# Altium PCB high-spped-thermocouple-logger-2ch.PcbDoc (part 2 of 3) (continued)
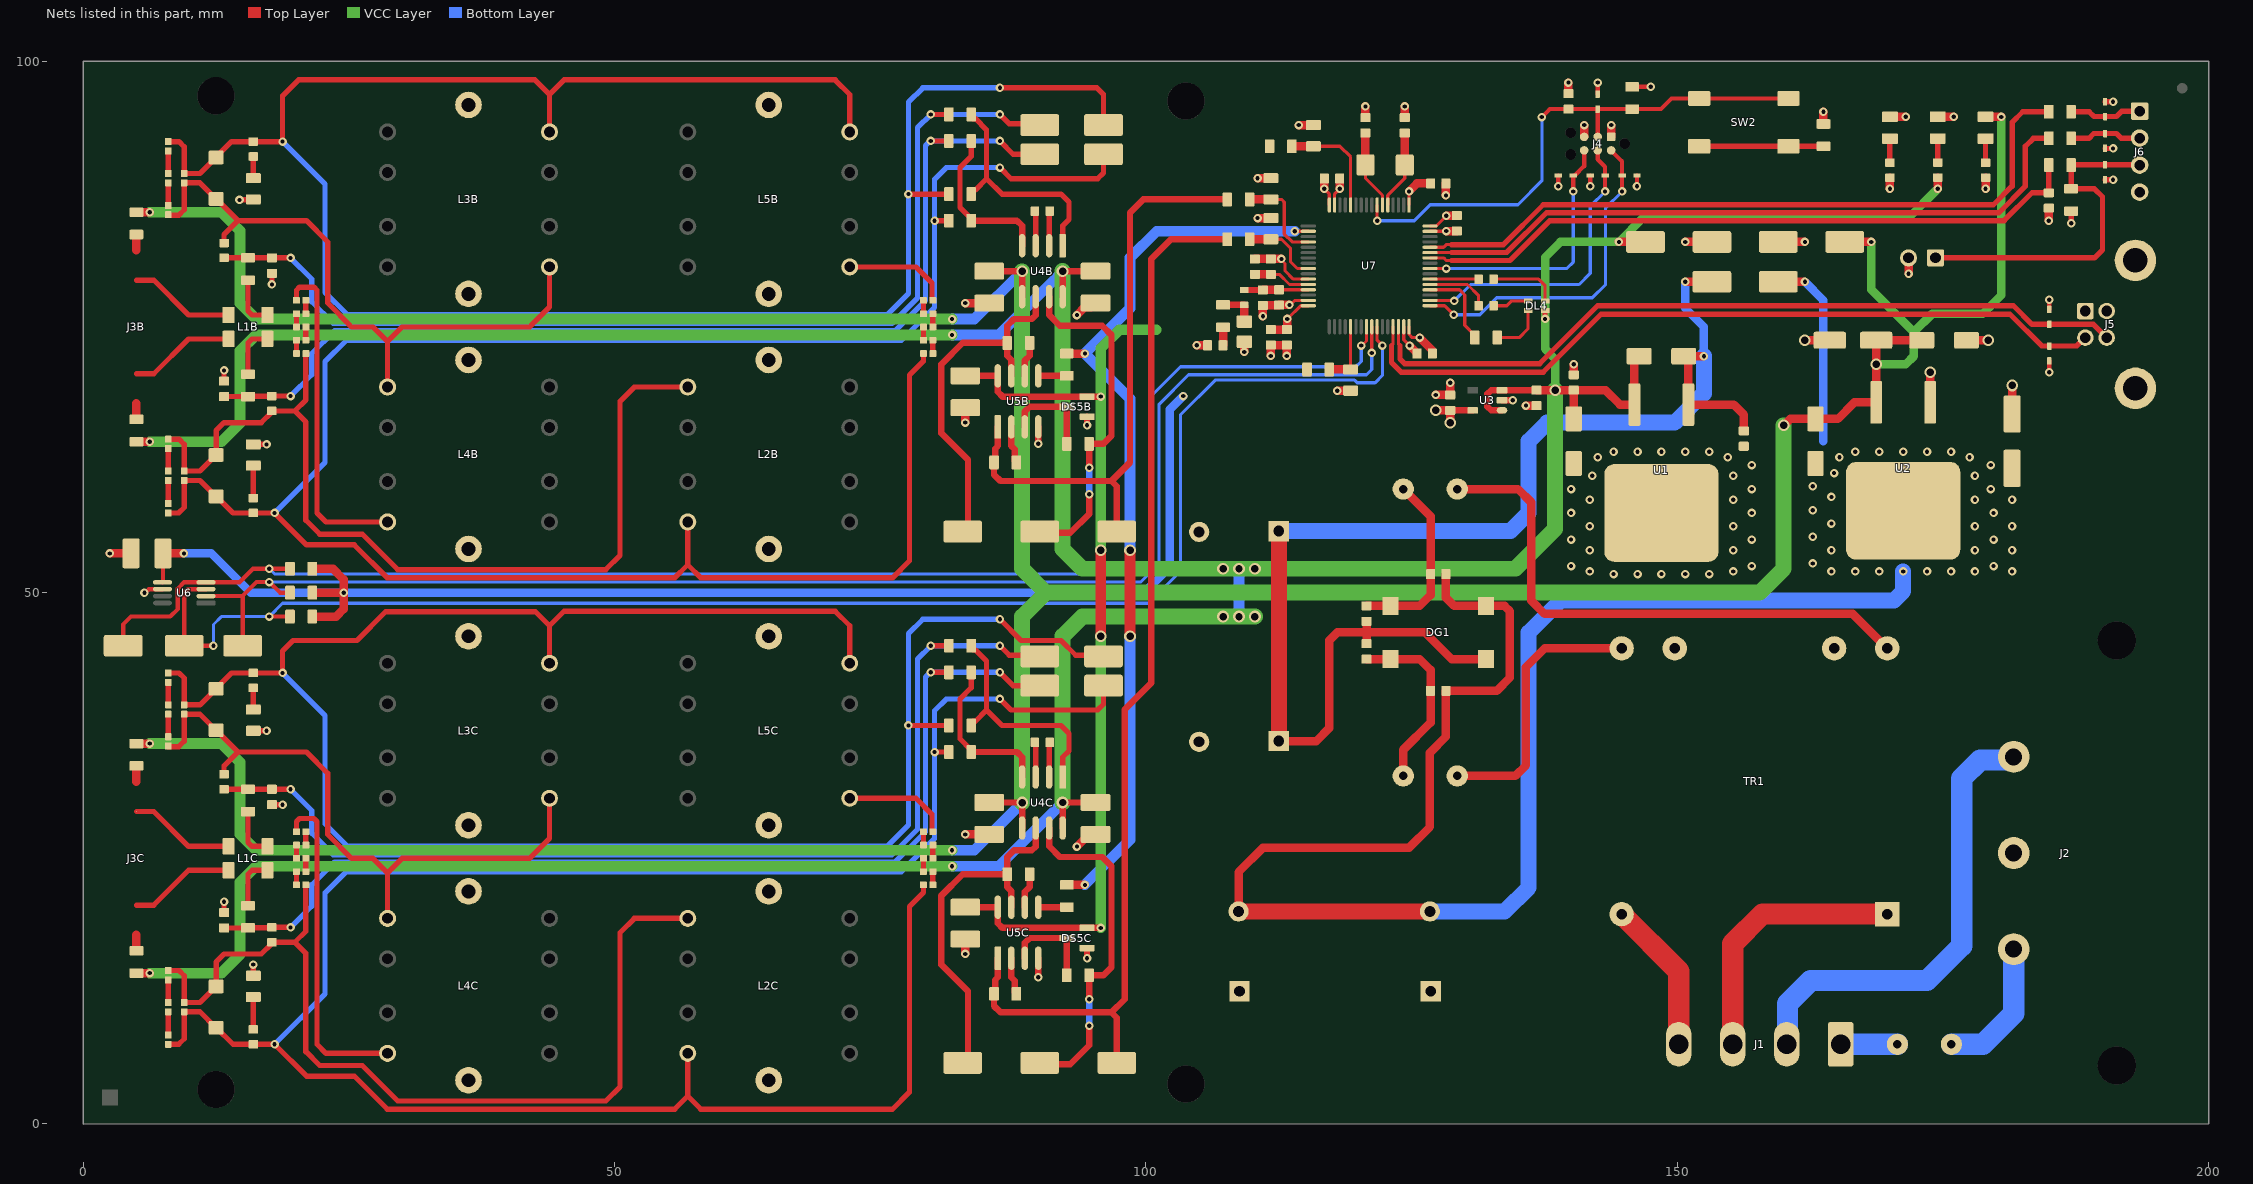
[diagram p4: the nets of this part, all layers, seen from the top]
## Part data (continued)
FM3: library part 000+FMS100, "De; Fiducial Mark;", Component_Class="Design Entity", ComponentLink1Description=Helios, ComponentLink1URL=heliosgreen://v1/hegMT/5-MT/Classes(343)/Folders/OpenForm?RecordNumbers=[12022164], Entity_Type="Fiducial Mark", KK=000+FMS100, SMD=1, Status_I=Development, Status_II=Testing
H1 H2 H3 H4: library part 000-HOLE3.5NP100, "De; Hole;", Component_Class="Design Entity", ComponentLink1Description=Helios, ComponentLink1URL=heliosgreen://v1/hegMT/5-MT/Classes(343)/Folders/OpenForm?RecordNumbers=[13035934], Entity_Type=Hole, KK=000-HOLE3.5NP100, Note="Hole 3,5mm, Nonplated", SMD=0, Status_I=Development, Status_II="Approval pending"
J1: library part EJ-5281-NA4MX0, "Con; Wire to board RM5.04; 4x; PCB; Straight; 250V; 7A; Male; Tin; ??;", Current_Rating_A=7, Manufacturer="HSUAN MAO: W4508-04PSYTW0R;;HSM: W4508-04PSYTW0R;;MOLEX: 10-32-1041", Voltage_Rating_V=250, Angle=Straight, Component_Class=Connector, ComponentLink1Description=Helios, ComponentLink1URL=heliosgreen://v1/hegMT/5-MT/Classes(343)/Folders/OpenForm?RecordNumbers=[380714], ComponentLink2Description="EJ-5281-NA4MX0_HSUAN MAO.pdf", ComponentLink2URL="i:\datasheets\EJ-5281-NA4MX0_HSUAN MAO.pdf", ComponentLink3Description=EJ-5281-NA4MX0_MOLEX.pdf, ComponentLink3URL=i:\datasheets\EJ-5281-NA4MX0_MOLEX.pdf, Connector_Family="Wire to board RM5.04", Gender=Male, KK=EJ-5281-NA4MX0, Mounting_Style=PCB, Multiplicity=4, Plating=Tin, SMD=0, Status_I=Production, Status_II=Active, System=Connector
J2: library part EJ-GSP1SC1, "Con; AC plug; 1x; PCB; ??; 250V; 10A; Male; Tin; ??;", Current_Rating_A=10, Manufacturer="SCHURTER: GSP1.8501.1", Voltage_Rating_V=250, Component_Class=Connector, ComponentLink1Description=Helios, ComponentLink1URL=heliosgreen://v1/hegMT/5-MT/Classes(343)/Folders/OpenForm?RecordNumbers=[380789], ComponentLink2Description=EJ-GSP1SC1_Schurter.pdf, ComponentLink2URL=i:\DataSheets\EJ-GSP1SC1_Schurter.pdf, ComponentLink3Description=EJ-GSP1SC1_Schurter1.pdf, ComponentLink3URL=i:\DataSheets\EJ-GSP1SC1_Schurter1.pdf, Connector_Family="AC plug", Gender=Male, KK=EJ-GSP1SC1, Mounting_Style=PCB, Multiplicity=1, Note=C14, Plating=Tin, SMD=0, Status_I=Production, Status_II=Active, System=Connector
J3B J3C: "Universal SMD thermocouple connector, 2 pin, Female", ComponentLink1Description=Datasheet, ComponentLink1URL=https://www.farnell.com/datasheets/2913879.pdf
J4: "De; Programming connector;", Component_Class="Design Entity", ComponentLink1Description=Helios, ComponentLink1URL=heliosgreen://v1/hegMT/5-MT/Classes(343)/Folders/OpenForm?RecordNumbers=[12745287], Entity_Type="Programming connector", KK=000-TC2030-ARM100, Note="Programming connector ARM - STM32", SMD=0, Status_I=Development, Status_II=Testing
J5: library part EJ-67068-04XX0, "Con; USB; 1x; PCB; Right angle; 250V; 1.5A; Female; Gold; ??;", Current_Rating_A=1.5, Manufacturer="HSUAN MAO: C8317-04BFHSB0R;;HSM: C8317-04BFHSB0R", Voltage_Rating_V=250, Angle="Right angle", Component_Class=Connector, ComponentLink1Description=Helios, ComponentLink1URL=heliosgreen://v1/hegMT/5-MT/Classes(343)/Folders/OpenForm?RecordNumbers=[380719], ComponentLink2Description="EJ-67068-04XX0_Hsuan Mao.pdf", ComponentLink2URL="i:\datasheets\EJ-67068-04XX0_Hsuan Mao.pdf", Connector_Family=USB, Gender=Female, KK=EJ-67068-04XX0, Mounting_Style=PCB, Multiplicity=1, Note="USB B", Plating=Gold, SMD=0, Status_I=Production, Status_II=Active, System=Connector
J6: "Female Header, Single row, 1 x 4, R/A, THT"
J7: library part EJ-PSH0202WXX0, "Con; PFH/PSH; 2x; PCB; Right angle; 250V; 3A; Male; Tin; ??;", Current_Rating_A=3, Manufacturer="Neltron: 2217R-XX-WH2", Voltage_Rating_V=250, Angle="Right angle", Component_Class=Connector, ComponentLink1Description=Helios, ComponentLink1URL=heliosgreen://v1/hegMT/5-MT/Classes(343)/Folders/OpenForm?RecordNumbers=[380843], ComponentLink2Description=EJ-PSH0202WXX0_NeltronEN100.pdf, ComponentLink2URL=I:\datasheets\EJ-PSH0202WXX0_NeltronEN100.pdf, Connector_Family=PFH/PSH, Gender=Male, KK=EJ-PSH0202WXX0, Mounting_Style=PCB, Multiplicity=2, Plating=Tin, SMD=0, Status_I=Production, Status_II=Active, System=Connector
L1B L1C: library part EL+11U0.45ACM1812XX0, "Flt; Common Mode Chokes; 0.8Ohm; 0.45A; 60V; 1x;", Current_Rating_A=0.45, Manufacturer="Würth: 744235110", Resistance_Ohm=0.8, Voltage_Rating_V=60, Component_Class=Filter, ComponentLink1Description=Helios, ComponentLink1URL=heliosgreen://v1/hegMT/5-MT/Classes(343)/Folders/OpenForm?RecordNumbers=[12661641], ComponentLink2Description=EL+11U0.45ACM1812XX0_WurthEN100.pdf, ComponentLink2URL=i:\DataSheets\EL+11U0.45ACM1812XX0_WurthEN100.pdf, Filter_Type="Common Mode Chokes", KK=EL+11U0.45ACM1812XX0, Mounting_Style=PCB, Multiplicity=1, Note="11uH, 0.45A, 5k@100MHz", SMD=1, Status_I=Production, Status_II=Active
L2B L2C L3B L3C L4B L4C L5B L5C: "Inductor, RM6 Core", ComponentLink1Description=Datasheet, ComponentLink1URL=https://www.tdk-electronics.tdk.com/inf/80/db/fer/rm_6.pdf
LB1: library part 000-SPACE2D100, "De; Space for...;", Component_Class="Design Entity", ComponentLink1Description=Helios, ComponentLink1URL=heliosgreen://v1/hegMT/5-MT/Classes(343)/Folders/OpenForm?RecordNumbers=[12022194], Entity_Type="Space for...", KK=000-SPACE2D100, Note="Space for 2D code sticker", SMD=0, Status_I=Development, Status_II=Testing
R1 R2 R3 R10B R10C R11B R11C R12B R12C R13B R13C R24 R25: library part ER+470R0.1WXX2, "R; 470R; 0.1W; 1%; 75V; Thick Film; ±100ppm/K; 1x;", Manufacturer="Yageo: RC0603FR-07470RL;;Panasonic: ERJ3EKF4700V", Power_Rating_W=0.1, Resistance_Ohm=470, Resistor_Type="Thick Film", Temperature_Coefficient_PPMpK=±100, Tolerance_Pct=1, Voltage_Rating_V=75, Component_Class=Resistor, ComponentLink1Description=Helios, ComponentLink1URL=heliosgreen://v1/hegMT/5-MT/Classes(343)/Folders/OpenForm?RecordNumbers=[11656564], ComponentLink2Description=ER+470R0.1WXX2_YageoEN100.pdf, ComponentLink2URL=I:\DataSheets\ER+470R0.1WXX2_YageoEN100.pdf, ComponentLink3Description=ER+470R0.1WXX2_PanasonicEN100.pdf, ComponentLink3URL=I:\datasheets\ER+470R0.1WXX2_PanasonicEN100.pdf, KK=ER+470R0.1WXX2, Multiplicity=1, SMD=1, Status_I=Production, Status_II=Active
R4B R4C R7B R7C: library part ER+10R0.1WXXF, "R; 10R; 0.125W; 1%; 150V; Thick Film; ±200ppm/K; 1x;", Manufacturer="YAGEO: RC0805FR-1010RL;;YAGEO: RC0805FR-0710RL;;YAGEO: RC0805FR-1310RL;;AVX: CR21-0100F-T;;BC Components: MCU0805-50 1% P5 10R;;SAMSUNG: RC2012F100CS", Power_Rating_W=0.125, Resistance_Ohm=10, Resistor_Type="Thick Film", Temperature_Coefficient_PPMpK=±200, Tolerance_Pct=1, Voltage_Rating_V=150, Component_Class=Resistor, ComponentLink1Description=Helios, ComponentLink1URL=heliosgreen://v1/hegMT/5-MT/Classes(343)/Folders/OpenForm?RecordNumbers=[381485], ComponentLink2Description=ER+0.1WXXF_Yageo.pdf, ComponentLink2URL=i:\DataSheets\ER+0.1WXXF_Yageo.pdf, ComponentLink3Description=ER+10R0.1WXXF_SamsungEN100.pdf, ComponentLink3URL=i:\datasheets\ER+10R0.1WXXF_SamsungEN100.pdf, ComponentLink4Description=ER+10R0.1WXXF_AvxEN100, ComponentLink4URL=i:\DataSheets\ER+10R0.1WXXF_AvxEN100.pdf, KK=ER+10R0.1WXXF, Multiplicity=1, SMD=1, Status_I=Production, Status_II=Active
R5B R5C R6B R6C R8B R8C R9B R9C: library part ER+0RXX1, "R; 0R; 0.125W; 1%; 150V; Thick Film; ±200ppm/K; 1x;", Manufacturer="YAGEO: RC0805JR-100RL;;YAGEO: RC0805JR-130RL;;YAGEO: RC0805JR-070RL", Power_Rating_W=0.125, Resistance_Ohm=0, Resistor_Type="Thick Film", Temperature_Coefficient_PPMpK=±200, Tolerance_Pct=1, Voltage_Rating_V=150, Component_Class=Resistor, ComponentLink1Description=Helios, ComponentLink1URL=heliosgreen://v1/hegMT/5-MT/Classes(343)/Folders/OpenForm?RecordNumbers=[381470], ComponentLink2Description=ER+0.1WXXF_Yageo.pdf, ComponentLink2URL=i:\DataSheets\ER+0.1WXXF_Yageo.pdf, KK=ER+0RXX1, Multiplicity=1, SMD=1, Status_I=Production, Status_II=Active
R14B R14C R16B R16C R18B R18C R19 R20 R21 R22 R27 R32B R32C: library part ER+10K0.1WXXF, "R; 10k; 0.125W; 1%; 150V; Thick Film; ±100ppm/K; 1x;", Manufacturer="VISHAY: CRCW0805 10KOHM TK100 1%;;AVX: CR21-1002F-T;;BC Components: MCU0805-50 1% P5 10k;;YAGEO: RC0805FR-0710KL;;PANASONIC: ERJ 6EN F 1002 V;;HaS Lanskroun: CMF0805 10k 1% 100ppm/K;;ASJ: CR21-1002-FL", Power_Rating_W=0.125, Resistance_Ohm=10000, Resistor_Type="Thick Film", Temperature_Coefficient_PPMpK=±100, Tolerance_Pct=1, Voltage_Rating_V=150, Component_Class=Resistor, ComponentLink1Description=Helios, ComponentLink1URL=heliosgreen://v1/hegMT/5-MT/Classes(343)/Folders/OpenForm?RecordNumbers=[381481], ComponentLink2Description=ER+0.1WXXF_Yageo.pdf, ComponentLink2URL=i:\DataSheets\ER+0.1WXXF_Yageo.pdf, KK=ER+10K0.1WXXF, Multiplicity=1, SMD=1, Status_I=Production, Status_II=Active
R15A R15B R15C R15D R29 R30 R31: library part ER+47R0.1WXXF, "R; 47R; 0.125W; 1%; 150V; Thick Film; ±100ppm/K; 1x;", KK=ER+47R0.1WXXF
R17B R17C: "R; 54R9; 62.5mW; 0.1%; 50V; Thin Film; ±25ppm/K; 1x;", ComponentLink1Description=Datasheet, ComponentLink1URL=https://bg.farnell.com/panasonic/era6aeb49r9v/res-0805-49r9-0-125w-metal-film/dp/1810372
R23 R28: library part ER+1K0.1WXXF, "R; 1k; 0.125W; 1%; 150V; Thick Film; ±100ppm/K; 1x;", Manufacturer="VISHAY: CRCW0805 1001 100 1% RT1 BC;;AVX: CR21-1001F-T;;BC Components: MCU0805-50 1% P5 1k0;;YAGEO: RC0805FR-071KL;;PANASONIC: ERJ 6EN F 1001 V;;HaS Lanskroun: CMF0805 1k0 1% 100ppm/K;;ASJ: CR21-1001-FL", Power_Rating_W=0.125, Resistance_Ohm=1000, Resistor_Type="Thick Film", Temperature_Coefficient_PPMpK=±100, Tolerance_Pct=1, Voltage_Rating_V=150, Component_Class=Resistor, ComponentLink1Description=Helios, ComponentLink1URL=heliosgreen://v1/hegMT/5-MT/Classes(343)/Folders/OpenForm?RecordNumbers=[381513], ComponentLink2Description=ER+0.1WXXF_Yageo.pdf, ComponentLink2URL=i:\DataSheets\ER+0.1WXXF_Yageo.pdf, KK=ER+1K0.1WXXF, Multiplicity=1, SMD=1, Status_I=Production, Status_II=Active
R26: library part ER+4R70.1WXXJ, "R; 4R7; 0.125W; 5%; 150V; Thick Film; ±200ppm/K; 1x;", Manufacturer="YAGEO: RC0805FR-074R7L;;BC Components: MCU0805-50 1% P5 4R7", Power_Rating_W=0.125, Resistance_Ohm=4.7, Resistor_Type="Thick Film", Temperature_Coefficient_PPMpK=±200, Tolerance_Pct=5, Voltage_Rating_V=150, Component_Class=Resistor, ComponentLink1Description=Helios, ComponentLink1URL=heliosgreen://v1/hegMT/5-MT/Classes(343)/Folders/OpenForm?RecordNumbers=[381599], ComponentLink2Description=ER+0.1WXXF_Yageo.pdf, ComponentLink2URL=i:\DataSheets\ER+0.1WXXF_Yageo.pdf, ComponentLink3Description=ER+1WXXJ_Yageo.pdf, ComponentLink3URL=i:\DataSheets\ER+1WXXJ_Yageo.pdf, KK=ER+4R70.1WXXJ, Multiplicity=1, SMD=1, Status_I=Production, Status_II=Active
R33B R33C R34B R34C: library part ER+10M0.1WXXJ, "R; 10Meg; 0.125W; 5%; 150V; Thick Film; ±100ppm/K; 1x;", Manufacturer="YAGEO: RC0805JR-0710ML;;BC Components: MCU0805-50 1% P5 10M;;PANASONIC: ERJ 6GE Y J 106 V", Power_Rating_W=0.125, Resistance_Ohm=10000000, Resistor_Type="Thick Film", Temperature_Coefficient_PPMpK=±100, Tolerance_Pct=5, Voltage_Rating_V=150, Component_Class=Resistor, ComponentLink1Description=Helios, ComponentLink1URL=heliosgreen://v1/hegMT/5-MT/Classes(343)/Folders/OpenForm?RecordNumbers=[381483], ComponentLink2Description=ER+1WXXJ_Yageo.pdf, ComponentLink2URL=i:\DataSheets\ER+1WXXJ_Yageo.pdf, ComponentLink3Description=ER+10M0.1WXXJ_VishayEN100, ComponentLink3URL=i:\DataSheets\ER+10M0.1WXXJ_VishayEN100.pdf, ComponentLink4Description=ER+10M0.1WXXJ_PanasonicEN100, ComponentLink4URL=i:\DataSheets\ER+10M0.1WXXJ_PanasonicEN100.pdf, KK=ER+10M0.1WXXJ, Multiplicity=1, SMD=1, Status_I=Production, Status_II=Active
S1: library part 000-SYMBTL100, "De; Symbols/Tables;", Component_Class="Design Entity", ComponentLink1Description=Helios, ComponentLink1URL=heliosgreen://v1/hegMT/5-MT/Classes(343)/Folders/OpenForm?RecordNumbers=[12022368], Entity_Type=Symbols/Tables, KK=000-SYMBTL100, Note="Symbol BTL logos for silkscreen or Copper", SMD=0, Status_I=Development, Status_II=Testing
S2: library part 000-SYMBIN100, "De; Symbols/Tables;", Component_Class="Design Entity", ComponentLink1Description=Helios, ComponentLink1URL=heliosgreen://v1/hegMT/5-MT/Classes(343)/Folders/OpenForm?RecordNumbers=[12022356], Entity_Type=Symbols/Tables, KK=000-SYMBIN100, Note="Symbol Crossed Bin", SMD=0, Status_I=Development, Status_II=Testing
SW2: library part ESW+LSH1301XX0, "MSw; SPST; PCB; 1x; DC:12V; DC:0.05A; AC:??V; AC:??A; CV:??V; Push-button;", Current_Rating_DC_A=0.05, Manufacturer="DIPTRONICS: DTSM-62N-V-T/R", Voltage_Rating_DC_V=12, Component_Class="Mechanical Switch", ComponentLink1Description=Helios, ComponentLink1URL=heliosgreen://v1/hegMT/5-MT/Classes(343)/Folders/OpenForm?RecordNumbers=[382002], ComponentLink2Description=ESW+LSH1301H7XX0_Schurter.pdf, ComponentLink2URL=i:\DataSheets\ESW+LSH1301H7XX0_Schurter.pdf, ComponentLink3Description=ESW+LSH1301XX0-a.jpg, ComponentLink3URL=i:\DataSheets\SMD_parts_pictures\ESW+LSH1301XX0-a.jpg, ComponentLink4Description=ESW+LSH1301XX0-b.jpg, ComponentLink4URL=i:\DataSheets\SMD_parts_pictures\ESW+LSH1301XX0-b.jpg, ComponentLink5Description=ESW+LSH1301XX0_DiptronicsEN100, ComponentLink5URL=i:\DataSheets\ESW+LSH1301XX0_DiptronicsEN100.pdf, KK=ESW+LSH1301XX0, Mechanical_Switch_Type=Push-button, Mounting_Style=PCB, Multiplicity=1, SMD=1, Status_I=Production, Status_II=Active, Switch_Configuration=SPST
TP1 TP2 TP3 TP4 TP5 TP6 TP7B TP7C TP8B TP8C TP9B TP9C TP10B TP10C TP11B TP11C TP12B TP12C TP13B TP13C TP14 TP15 TP16: library part EJ+TESTPOINTXX0, "Con; Test Point; 1x; PCB; ??; ??V; ??A; ??; Tin; Contact;", Manufacturer="Harwin: S1751-46R", Component_Class=Connector, ComponentLink1Description=Helios, ComponentLink1URL=heliosgreen://v1/hegMT/5-MT/Classes(343)/Folders/OpenForm?RecordNumbers=[5618398], ComponentLink2Description=EJ+TESTPOINTXX0_HarwinEN100.pdf, ComponentLink2URL=i:\datasheets\EJ+TESTPOINTXX0_HarwinEN100.pdf, ComponentLink3Description=EJ+TESTPOINTXX0_BoardWareEN100.pdf, ComponentLink3URL=i:\datasheets\EJ+TESTPOINTXX0_BoardWareEN100.pdf, Connector_Family="Test Point", Connector_Part=Contact, KK=EJ+TESTPOINTXX0, Mounting_Style=PCB, Multiplicity=1, Plating=Tin, SMD=1, Status_I=Production, Status_II=Active, System=Connector
TR1: "Transformer 230V/2x9V, 2x178mA", ComponentLink1Description=Datasheet, ComponentLink1URL=https://www.tme.eu/Document/cb1d7fdbe3570188ff28030ca3a4f1cf/Catalogue%20Myrra%202018%20compress%C3%A9.pdf
U1: library part L7805AC, "Fixed, Three Terminal Pos  Regulator 5V/1A in D2PAK", ComponentLink1Description=Datasheet, ComponentLink1URL=https://www.farnell.com/datasheets/1805459.pdf
U2: library part L7905AC, "Fixed, Three Terminal Pos  Regulator -5V/1A in D2PAK", ComponentLink1Description=Datasheet, ComponentLink1URL=https://www.farnell.com/datasheets/2581705.pdf
U3: library part EU+TLV73333PDBVTXX0, "IC; Linear Regulator/Reference; ??V; 5.5V; 1x;", Manufacturer="Texas Instruments: TLV73333PDBVT", Component_Class=IC, ComponentLink1Description=Helios, ComponentLink1URL=heliosgreen://v1/hegMT/5-MT/Classes(343)/Folders/OpenForm?RecordNumbers=[10961858], ComponentLink2Description=EU+TLV73333PDBVTXX0_TexasEN100.pdf, ComponentLink2URL=I:\DataSheets\EU+TLV73333PDBVTXX0_TexasEN100.pdf, IC_Type="Linear Regulator/Reference", KK=EU+TLV73333PDBVTXX0, Multiplicity=1, Note="3.3V, 300mA, 1% (1.4% max), Capacitor Free,Low Dropout Regulator", SMD=1, Status_I=Production, Status_II=Active, Vmax_V=5.5
U4B U4C: "High Performance, Low Power, Precision Instrumentation Amplifier"
U5B U5C: library part EU+OPA2863DRXX0, "IC; Opamp; 2.7V; 12.6V; 2x;", Manufacturer="Texas Instruments: OPA2863DR", Component_Class=IC, ComponentLink1Description=Helios, ComponentLink1URL=heliosgreen://v1/hegMT/5-MT/Classes(343)/Folders/OpenForm?RecordNumbers=[21742645], ComponentLink2Description=EU+OPA2863DRXX0_TexasInstrumentsEN100.pd, ComponentLink2URL=I:\DataSheets\EU+OPA2863DRXX0_TexasInstrumentsEN100.pdf, IC_Type=Opamp, KK=EU+OPA2863DRXX0, Multiplicity=2, Note="Dual 50MHz, 105V/µs, R-to-R, Precision Op Amps;Pin to pin compatible cheaper alternative of EU+LT6221CS8XX0", SMD=1, Status_I=Production, Status_II=Active, Vmax_V=12.6, Vmin_V=2.7
U6: library part EU+AD7414ARMZXX0, "Sen; Temperature [°C]; Digital/PWM; 0.5%;", Manufacturer="ANALOG DEVICES: AD7414ARMZ-0;;ANALOG DEVICES: AD7414ARMZ-0REEL7", Tolerance_Pct=0.5, Component_Class=Sensor, ComponentLink1Description=Helios, ComponentLink1URL=heliosgreen://v1/hegMT/5-MT/Classes(343)/Folders/OpenForm?RecordNumbers=[7785359], ComponentLink2Description=EU+AD7414ARMZXX0_ADEN100.pdf, ComponentLink2URL=i:\datasheets\EU+AD7414ARMZXX0_ADEN100.pdf, KK=EU+AD7414ARMZXX0, Physical_Quantity="Temperature [°C]", Sensor_Output=Digital/PWM, SMD=1, Status_I=Production, Status_II=Active
U7: "ARM Cortex-M4 32-bit MCU+FPU, 213 DMIPS, 512 kB Flash, 128 kB Internal RAM, 52 I/Os, 64-pin LQFP, -40 to 85 degC, Tray", ComponentLink1Description=Datasheet, ComponentLink1URL=https://www.st.com/resource/en/datasheet/stm32g474cb.pdf
X1: library part EX+8.000MXX2, "Oth; Crystal;", Manufacturer="Abracon: ABM3-8.000MHZ-D2Y-T", Component_Class=Other, ComponentLink1Description=Helios, ComponentLink1URL=heliosgreen://v1/hegMT/5-MT/Classes(343)/Folders/OpenForm?RecordNumbers=[17102653], ComponentLink2Description=EX+8.000MXX2_AbraconEN100.pdf, ComponentLink2URL=I:\DataSheets\EX+8.000MXX2_AbraconEN100.pdf, KK=EX+8.000MXX2, Note="8MHz, freq tol. 20ppm, freq stab. 30ppm, 18pF", Others_Type=Crystal, SMD=1, Status_I=Production, Status_II=Active

## Via types
v1: diameter 0.8, hole 0.4, Top Layer to Bottom Layer, 203 vias
v2: diameter 1.1, hole 0.7, Top Layer to Bottom Layer, 23 vias

## Nets (pads, with @x,y where several pads share a name; then routed paths per layer and width w, separated by ;. In a path a pad name is that pad's centre, name@x,y a point inside that pad or via, vN(x,y) a via of type N, cw(c..) or ccw(c..) an arc to the next point about the centre after c; other vN are vias at no path point)
1MHZ_FILT_OUT+A: 
1MHZ_FILT_OUT+B: CK32D.1 CK39C.2 CK40C.2 CVAR1C.2 L2B.2 R8B.1 R13B.2 TP8B.1 | length 209.8
  Top Layer w0.5: CK40C.2@8,57.5 8.975,57.5 9.5,58.025 CK39C.2@9.5,60.56 10.99,60.56 CVAR1C.2@12.5,59.05 ; CVAR1C.2@12.55,59.05 14.1,57.5 R13B.2@16,57.5 v1(18,57.5) 21,54.5 25.5,54.5 28.609,51.391 55.651,51.391 56.88,52.62 ; L2B.2@56.88,56.65 56.88,52.62 ; CK32D.1@79.06,72.5 79.06,71.785 77.75,70.475 77.75,53 76.141,51.391 58.109,51.391 56.88,52.62 ; v1(80.1,85) R8B.1@81.45,85 ; v1(86.25,90) 87.3,88.95 95.45,88.95 96,89.5 TP8B.1@96,91.25
  Bottom Layer w0.5: v1(18,57.5) 22.75,62.25 22.75,71.75 24.75,73.75 77,73.75 80.1,76.85 v1(80.1,85) 80.1,88.89 81.21,90 v1(86.25,90)
1MHZ_FILT_OUT+C: CK32F.1 CK39E.2 CK40E.2 CVAR1E.2 L2C.2 R8C.1 R13C.2 TP8C.1 | length 209.8
  Top Layer w0.5: CK40E.2@8,7.5 8.975,7.5 9.5,8.025 CK39E.2@9.5,10.56 10.99,10.56 CVAR1E.2@12.5,9.05 ; CVAR1E.2@12.55,9.05 14.1,7.5 R13C.2@16,7.5 v1(18,7.5) 21,4.5 25.5,4.5 28.609,1.391 55.651,1.391 56.88,2.62 ; L2C.2@56.88,6.65 56.88,2.62 ; CK32F.1@79.06,22.5 79.06,21.785 77.75,20.475 77.75,3 76.141,1.391 58.109,1.391 56.88,2.62 ; v1(80.1,35) R8C.1@81.45,35 ; v1(86.25,40) 87.3,38.95 95.45,38.95 96,39.5 TP8C.1@96,41.25
  Bottom Layer w0.5: v1(18,7.5) 22.75,12.25 22.75,21.75 24.75,23.75 77,23.75 80.1,26.85 v1(80.1,35) 80.1,38.89 81.21,40 v1(86.25,40)
1MHZ_FILT_OUT+D: 
1MHZ_FILT_OUT-A: 
1MHZ_FILT_OUT-B: CK39D.2 CK40D.2 CVAR1D.2 L3B.2 L5B.2 R9B.1 R12B.2 TP10B.1 | length 198
  Top Layer w0.5: CK40D.2@8,92.44 9.01,92.44 9.5,91.95 CK39D.2@9.5,89.44 10.99,89.44 CVAR1D.2@12.5,90.95 ; CVAR1D.2@12.475,90.975 13.94,92.44 R12B.2@16,92.44 v1(18.75,92.44) 18.75,96.75 20.25,98.25 24.56,98.25 42.5,98.25 43.87,96.88 ; L3B.2@43.87,93.35 43.87,96.88 ; L5B.2@72.12,93.35 72.12,96.88 70.75,98.25 45.24,98.25 43.87,96.88 ; v1(77.65,87.5) R9B.1@81.45,87.5 ; v1(86.25,97.5) 95.386,97.5 96,96.886 96,94.136 TP10B.1@96.028,94.108
  Bottom Layer w0.5: v1(18.75,92.44) 22.75,88.44 22.75,78.25 24.84,76.16 75.66,76.16 77.65,78.15 v1(77.65,87.5) 77.65,96.15 79,97.5 v1(86.25,97.5)
1MHZ_FILT_OUT-C: CK39F.2 CK40F.2 CVAR1F.2 L3C.2 L5C.2 R9C.1 R12C.2 TP10C.1 | length 195
  Top Layer w0.5: CK40F.2@8,42.44 9.01,42.44 9.5,41.95 CK39F.2@9.5,39.44 10.99,39.44 CVAR1F.2@12.5,40.95 ; CVAR1F.2@12.475,40.975 13.94,42.44 R12C.2@16,42.44 v1(18.75,42.44) 18.75,44.5 19.75,45.5 25.75,45.5 28.45,48.2 42.55,48.2 43.87,46.88 ; L3C.2@43.87,43.35 43.87,46.88 ; L5C.2@72.12,43.35 72.12,46.88 70.75,48.25 45.24,48.25 43.87,46.88 ; v1(77.65,37.5) R9C.1@81.45,37.5 ; v1(86.25,47.5) 88.25,45.5 92,45.5 93.392,44.108 TP10C.1@96.028,44.108
  Bottom Layer w0.5: v1(18.75,42.44) 22.75,38.44 22.75,28.25 24.84,26.16 75.66,26.16 77.65,28.15 v1(77.65,37.5) 77.65,46.15 79,47.5 v1(86.25,47.5)
1MHZ_FILT_OUT-D: 
+3.3V: CK8.1 CK14B.1 CK14C.1 CK17.1 CK24.2 CK25.2 CK26.2 CK27.2 CK28.2 CK29.2 DS5B.2 DS5C.2 FB1.1 J4.1 R3.2 R19.2 R20.2 R21.2 R22.2 R27.2 TP6.1 U3.5 U5B.8 U5C.8 U6.5 U7.1 U7.16 U7.32 U7.48 U7.64 | length 249.3
  Top Layer w0.3: v1(113.3,75.75) 114.55,77 U7.32@115.275,77 ; v1(116.775,88) 117.25,87.525 U7.16@117.25,86.475 ; U7.48@124.75,75.025 124.75,74.3 125.05,74 v1(125.75,74) ; U7.1@124.75,86.475 v1(124.75,87.75) ; U7.64@126.725,84.5 127.305,84.5 v1@128.25,85.445
  Top Layer w0.4: U6.5@7.455,50.975 7.48,50.975 U6.5@7.494,50.99 ; 7.5,51.25 CK17.1@7.5,53.692 ; R22.2@145.75,97.6 v1(147.5,97.6)
  Top Layer w0.5: v1(187.07,84.75) R27.2@187.07,85.88
  Top Layer w0.6: CK14C.1@83,20.4 U5C.8@86.055,20.4 86.055,18.895 86.5,18.45 DS5C.2@94.45,18.45 v1(95.75,18.45) ; CK14B.1@83,70.4 U5B.8@86.055,70.4 86.055,68.895 86.5,68.45 DS5B.2@94.45,68.45 v1(95.75,68.45) ; CK8.1@128.625,67.15 U3.5@130.75,67.15
  Top Layer w0.8: CK17.1@7.5,53.692 9.469,53.692 v1(9.475,53.686) ; R21.2@21.55,47.75 23.8,47.75 24.5,48.45 v1(24.5,50) ; R19.2@21.55,50 v1(24.5,50) ; R20.2@21.55,52.25 23.5,52.25 24.5,51.25 v1(24.5,50) ; v1(109.25,72.65) FB1.1@109.25,73.61 ; CK24.2@111.75,74.75 113.3,74.75 CK28.2@113.25,74.75 ; CK28.2@113.3,74.8 v1(113.3,75.75) ; v1(116.775,88) CK25.2@116.775,88.976 ; v1(124.75,87.75) 125.5,88.5 CK26.2@126.775,88.5 ; v1(125.75,74) 126.925,72.825 126.925,72.525 CK29.2@126.95,72.5 ; v2(127.275,67.15) CK8.1@128.625,67.15 v2(128.625,66) ; v1(128.25,85.475) CK27.2@129.25,85.475 ; J4.1@143.77,92.885 v1(143.77,94) ; v1(150.75,83) TP6.1@153.25,83 ; v1(170,88) R3.2@170,89.05
  Top Layer w1: v2(95.75,45.9) v2(95.75,53.975)
  VCC Layer w1: v1@95.75,18.462 v2(95.75,45.9) ; v2(95.75,53.975) 95.75,73 97.5,74.75 100.971,74.75
  Bottom Layer w0.8: v1(9.475,53.686) 9.481,53.692 12.058,53.692 15.75,50 v1(24.5,50) 99.842,50 102.25,52.408 102.25,67.25 v1(103.5,68.5)
+5V: CK4.1 CK7.1 CK13B.1 CK13C.1 DL4.4 DS1.2 DS2.1 R1.2 R33B.2 R33C.2 TP2.1 U1.3 U3.1 U3.3 U4B.8 U4C.8 | length 421
  Top Layer w0.5: v1(137.55,75.75) DL4.4@137.55,76.55
  Top Layer w0.6: U4C.8@92.155,27.85 92.155,30.245 v2(92.15,30.25) CK13C.1@95.25,30.25 ; U4B.8@92.155,77.85 92.155,80.245 v2(92.15,80.25) CK13B.1@95.25,80.25 ; U3.1@133.5,67.15 132.476,67.15 132.125,67.501 132.125,68.699 132.476,69.05 U3.3@133.5,69.05 CK7.1@136.75,69.05
  Top Layer w0.8: R33C.2@5,14.2 v1(6.25,14.2) ; R33B.2@5,64.2 v1(6.25,64.2) ; CK7.1@136.75,69.05 v2(138.5,69.05) CK4.1@140.25,69.05 ; DS2.1@140.25,66.35 CK4.1@140.25,69.05 ; v1(144.5,83) TP2.1@147,83 ; DS1.2@146.4,72.25 146.335,72.25 145.96,71.875 U1.3@145.96,67.7 144.6,67.7 143.25,69.05 CK4.1@140.25,69.05 ; v1(174.5,88) R1.2@174.5,89.054
  VCC Layer w0.8: v2(138.5,69.05) 138.5,72 137.55,72.95 v1(137.55,75.75) 137.55,81.55 139,83 v1(144.5,83) 146.75,85.25 171.75,85.25 v1(174.5,88)
  VCC Layer w1: v1@6.252,14.203 13.002,14.203 14.752,15.953 14.752,22.752 16.252,24.252 v1(81.752,24.252) ; v1@6.252,64.198 13.002,64.198 14.752,65.948 14.752,72.747 16.252,74.247 v1(81.752,74.247)
  VCC Layer w1.5: v2(92.15,30.25) 92.15,45.9 94,47.75 v2(110.25,47.75) ; v2(92.15,80.25) 92.15,54.1 94,52.25 v2(108.75,52.25) v2(110.25,52.25) 134.75,52.25 138.5,56 v2(138.5,69.05)
  Bottom Layer w1: v1(81.752,24.252) 86.152,24.252 v2@92.153,30.253 ; v1(81.752,74.247) 86.152,74.247 v2@92.153,80.248 ; v2(107.25,47.75) v2(108.75,47.75) ; v2(107.25,52.25) v2(108.75,52.25) ; v2(110.25,47.75) v2(108.75,47.75) ; v2(110.25,52.25) v2(108.75,52.25) ; v2(108.75,47.75) v2(108.75,52.25)
+5V_USB: J5.1
-5V: CE6.2 CK15B.1 CK15C.1 DL2.1 DS3.2 DS4.1 R34B.1 R34C.1 TP4.1 U2.3 U4B.5 U4C.5 | length 399.8
  Top Layer w0.6: CK15C.1@85.25,30.25 88.34,30.25 v2(88.345,30.245) U4C.5@88.345,27.85 ; CK15B.1@85.25,80.25 88.34,80.25 v2(88.345,80.245) U4B.5@88.345,77.85
  Top Layer w0.8: R34C.1@5,35.8 v1(6.25,35.8) ; R34B.1@5,85.797 v1(6.252,85.797) ; v2(160,65.75) 160.019,65.75 160.619,66.35 DS4.1@163,66.35 165.1,66.35 166.65,67.9 U2.3@168.71,67.9 v2(168.71,71.5) CE6.2@168.71,73.75 DS3.2@173,73.75 ; TP4.1@165.75,83 v1(168.25,83) ; DL2.1@179,94.775 180.475,94.775 v1(180.488,94.763)
  VCC Layer w0.8: v1(168.25,83) 168.25,78.52 172.25,74.52 ; v2(168.71,71.5) 171.5,71.5 172.25,72.25 172.25,74.52 ; v1(180.488,94.763) 180.5,94.75 180.5,78 178.75,76.25 173.98,76.25 172.25,74.52
  VCC Layer w1: v1@6.25,35.805 13,35.805 14.75,34.055 14.75,27.255 16.25,25.755 v1(81.75,25.755) ; v1(6.252,85.797) 13.002,85.797 14.752,84.047 14.752,77.247 16.252,75.747 v1(81.752,75.747)
  VCC Layer w1.5: v2(88.345,30.245) 88.345,47.751 90.593,50 ; v2(88.345,80.245) 88.345,52.249 90.594,50 ; v2(160,65.75) 160,52.25 157.75,50 90.594,50
  Bottom Layer w1: v1(81.75,25.755) 83.85,25.755 v2@88.345,30.25 ; v1(81.752,75.747) 83.852,75.747 v2@88.347,80.242
AMPL_OUT1: CK16A.1 R15A.1 U7.12 | length 10.5
  Top Layer w0.3: CK16A.1@115.75,92 118.25,92 119.25,91 U7.12@119.25,86.475
  Top Layer w0.8: R15A.1@113.725,92 CK16A.1@115.75,92
AMPL_OUT2: CK16B.1 R15B.1 U7.20 | length 8.9
  Top Layer w0.3: CK16B.1@111.75,87 112.75,87 113.014,86.736 113.014,83.736 113.75,83 114.55,83 U7.20@115.275,83
  Top Layer w0.8: R15B.1@109.75,87 CK16B.1@111.75,87
AMPL_OUT3: CK16C.1 R15C.1 U7.25 | length 7.4
  Top Layer w0.3: CK16C.1@111.75,83.25 112.75,83.25 113.6,82.4 113.6,81.143 114.243,80.5 U7.25@115.275,80.5
  Top Layer w0.8: R15C.1@109.75,83.25 CK16C.1@111.75,83.25
AMPL_OUT4: CK16D.1 R15D.1 U7.37 | length 6
  Top Layer w0.3: CK16D.1@119.25,71 119.25,71.475 U7.37@119.25,75.025
  Top Layer w0.8: R15D.1@117.25,71 CK16D.1@119.25,71
AVDD: CK21.2 CK22.1 FB2.2 U7.29 | length 5.7
  Top Layer w0.3: CK21.2@112.775,78.5 U7.29@115.275,78.5
  Top Layer w0.6: FB2.2@109.25,78.475 CK22.1@111,78.475
  Top Layer w0.8: CK22.1@111.025,78.5 CK21.2@112.525,78.5
FE: J2.2
GND: CE1.2 CE2.2 CE3.1 CE4.1 CE5.1 CE6.1 CK3.2 CK4.2 CK7.2 CK8.2 CK9B.2 CK9C.2 CK10B.2 CK10C.2 CK11B.1 CK11C.1 CK12B.1 CK12C.1 CK13B.2 CK13C.2 CK14B.2 CK14C.2 CK15B.2 CK15C.2 CK16A.2 CK16B.2 CK16C.2 CK16D.2 CK17.2 CK18.1 CK19.2 CK20.2 CK21.1 CK22.2 CK23.2 CK24.1 CK25.1 CK26.1 CK27.1 CK28.1 CK29.1 CK30.1 CK31.2 CK41.2 DL1.1 DL3.1 DS2.2 DS3.1 DS5B.1 DS5C.1 DZ1.2 DZ2.2 DZ3.2 DZ4.2 DZ5.2 DZ6.2 DZ7.2 DZ8.2 DZ9.2 J4.5 J5.4 J5.SH J6.4 J7.2 L2B.GND L2C.GND L3B.GND L3C.GND L4B.GND L4C.GND L5B.GND L5C.GND R2.2 R31.2 TP3.1 TR1.7 TR1.9 U1.2 U2.1 U3.2 U5B.4 U5C.4 U6.6 U7.15 U7.27 U7.31 U7.47 U7.63 | length 98.9
  Top Layer w0.3: v1@112.764,81.387 112.764,81.286 113.075,80.975 113.075,80.292 113.867,79.5 U7.27@115.275,79.5 ; v1(113.5,77.075) 113.6,77.075 114.025,77.5 U7.31@115.275,77.5 ; U7.15@117.75,86.475 117.75,87.525 v1(118.225,88) ; U7.47@124.25,75.025 124.25,73.8 v1(124.8,73.25) ; U7.63@126.725,84 128.225,84 v1(128.25,84.025)
  Top Layer w0.4: v1(5.75,50) 5.844,50 6.169,50.325 U6.6@7.455,50.325 ; v1(138.8,88.25) DZ7.2@138.8,89.25 ; v1(141.8,88.25) DZ6.2@141.8,89.25 ; DZ5.2@142.5,96.9 v1(142.5,98) ; v1(146.2,88.25) DZ4.2@146.2,89.25 ; v1(185,70.75) DZ1.2@185,71.8 ; DZ2.2@185,76.65 v1(185,77.55)